# KiCad board Kimiro.kicad_pcb (continued)
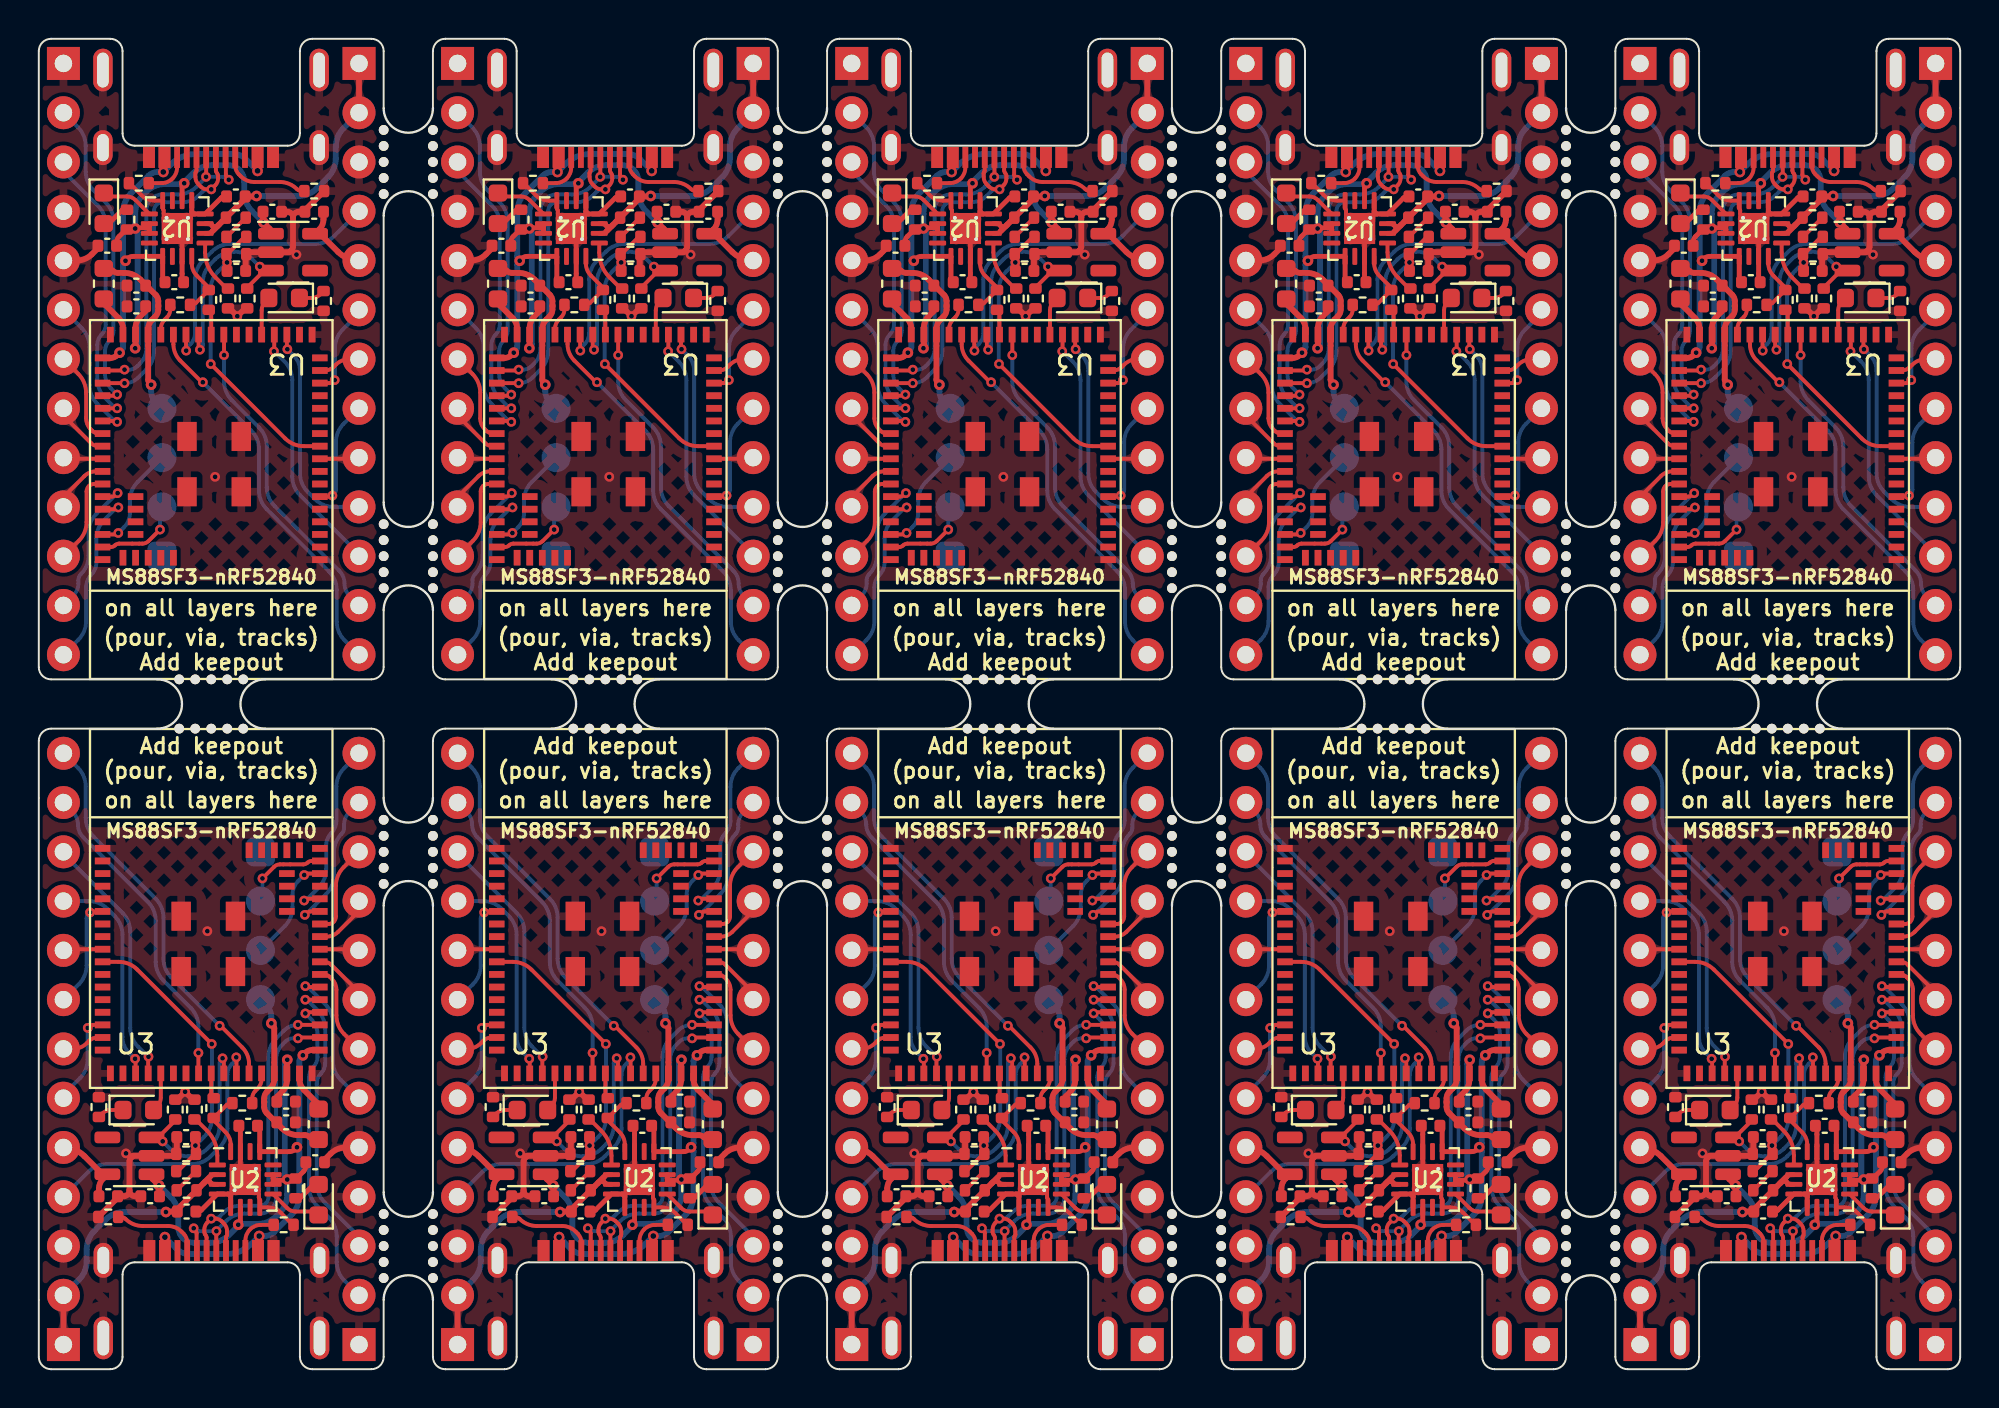
[diagram p0: board, top side]
## Routing (per net, layer and track width the routed paths; a pad name or vN(x,y) marks a point on that pad's centre or on a via; arc(x,y) is an arc through that point) (continued)
VBUS: length 216.3
  Top w0.25: C1#4.1 31.65,12.49 arc(31.7,12.42) 31.71,12.35 31.71,11.23 arc(31.72,11.22) 31.72,11.22 33.25,11.22 arc(33.39,11.25) 33.52,11.33 ; 11.27,12.55 11.33,12.49 arc(11.38,12.42) 11.39,12.35 11.39,11.23 arc(11.4,11.22) 11.4,11.22 12.93,11.22 arc(13.07,11.25) 13.2,11.33 ; C1#6.1 72.29,12.49 arc(72.34,12.42) 72.35,12.35 72.35,11.23 arc(72.36,11.22) 72.36,11.22 73.89,11.22 arc(74.03,11.25) 74.16,11.33 ; C1#3.1 87.73,56.09 arc(87.68,56.16) 87.67,56.23 87.67,57.35 arc(87.66,57.36) 87.66,57.36 86.13,57.36 arc(85.99,57.33) 85.86,57.25 ; C1.1 47.09,56.09 arc(47.04,56.16) 47.03,56.23 47.03,57.35 arc(47.02,57.36) 47.02,57.36 45.49,57.36 arc(45.35,57.33) 45.22,57.25 ; C1#2.1 6.45,56.09 arc(6.4,56.16) 6.39,56.23 6.39,57.35 arc(6.38,57.36) 6.38,57.36 4.85,57.36 arc(4.71,57.33) 4.58,57.25 ; 26.83,56.03 26.77,56.09 arc(26.72,56.16) 26.71,56.23 26.71,57.35 arc(26.7,57.36) 26.7,57.36 25.17,57.36 arc(25.03,57.33) 24.9,57.25 ; 51.91,12.55 51.97,12.49 arc(52.02,12.42) 52.03,12.35 52.03,11.23 arc(52.04,11.22) 52.04,11.22 53.57,11.22 arc(53.71,11.25) 53.84,11.33 ; C1#9.1 92.61,12.49 arc(92.66,12.42) 92.67,12.35 92.67,11.23 arc(92.68,11.22) 92.68,11.22 94.21,11.22 arc(94.35,11.25) 94.48,11.33 ; C1#7.1 67.41,56.09 arc(67.36,56.16) 67.35,56.23 67.35,57.35 arc(67.34,57.36) 67.34,57.36 65.81,57.36 arc(65.67,57.33) 65.54,57.25
  Top w0.3: v2(67.38,61.71) 67.41,61.75 arc(67.43,61.78) 67.44,61.82 67.44,62.29 ; v2(6.42,61.71) 6.45,61.75 arc(6.47,61.78) 6.48,61.82 6.48,62.29 ; v2(26.82,6.81) 26.82,6.81 arc(26.82,6.81) 26.82,6.8 26.82,6.29 ; v2(92.56,61.77) 92.56,61.77 arc(92.56,61.77) 92.56,61.78 92.56,62.29 ; 31.6,62.29 31.6,61.78 arc(31.6,61.77) 31.6,61.77 v2(31.6,61.77) ; v1(24.49,52.4) 24.35,52.27 arc(24.2,52.17) 24.03,52.13 U3#10.35 ; v2(72.24,61.77) 72.24,61.77 arc(72.24,61.77) 72.24,61.78 72.24,62.29 ; 65.54,57.25 v1(65.43,57.14) ; v2(87.78,6.81) 87.78,6.81 arc(87.78,6.81) 87.78,6.8 87.78,6.29 ; 67.46,6.29 67.46,6.8 arc(67.46,6.81) 67.46,6.81 v2(67.46,6.81) ; U3#9.35 14.07,16.45 arc(13.9,16.41) 13.75,16.31 v1(13.61,16.18) ; v1(54.25,16.18) 54.39,16.31 arc(54.54,16.41) 54.71,16.45 U3#3.35 ; U3.35 95.35,16.45 arc(95.18,16.41) 95.03,16.31 v1(94.89,16.18) ; v2(6.5,6.81) 6.5,6.81 arc(6.5,6.81) 6.5,6.8 6.5,6.29 ; 33.52,11.33 v1(33.63,11.44) ; 72.26,6.29 72.26,6.76 arc(72.27,6.8) 72.29,6.83 v2(72.32,6.87) ; v1(44.81,52.4) 44.67,52.27 arc(44.52,52.17) 44.35,52.13 U3#5.35 ; v2(51.92,61.77) 51.92,61.77 arc(51.92,61.77) 51.92,61.78 51.92,62.29 ; 24.9,57.25 v1(24.79,57.14) ; 51.94,6.29 51.94,6.76 arc(51.95,6.8) 51.97,6.83 v2(52,6.87) ; 4.58,57.25 v1(4.47,57.14) ; U3#6.35 64.67,52.13 arc(64.84,52.17) 64.99,52.27 v1(65.13,52.4) ; 45.22,57.25 v1(45.11,57.14) ; v2(11.36,6.87) 11.33,6.83 arc(11.31,6.8) 11.3,6.76 11.3,6.29 ; 13.2,11.33 v1(13.31,11.44) ; v2(47.06,61.71) 47.09,61.75 arc(47.11,61.78) 47.12,61.82 47.12,62.29 ; U3#4.35 34.39,16.45 arc(34.22,16.41) 34.07,16.31 v1(33.93,16.18) ; U3#2.35 84.99,52.13 arc(85.16,52.17) 85.31,52.27 v1(85.45,52.4) ; v1(74.57,16.18) 74.71,16.31 arc(74.86,16.41) 75.03,16.45 U3#7.35 ; 31.62,6.29 31.62,6.76 arc(31.63,6.8) 31.65,6.83 v2(31.68,6.87) ; v2(92.64,6.87) 92.61,6.83 arc(92.59,6.8) 92.58,6.76 92.58,6.29 ; v2(26.74,61.71) 26.77,61.75 arc(26.79,61.78) 26.8,61.82 26.8,62.29 ; 85.86,57.25 v1(85.75,57.14) ; v2(11.28,61.77) 11.28,61.77 arc(11.28,61.77) 11.28,61.78 11.28,62.29 ; v2(47.14,6.81) 47.14,6.81 arc(47.14,6.81) 47.14,6.8 47.14,6.29 ; 74.16,11.33 v1(74.27,11.44) ; U3#8.35 3.71,52.13 arc(3.88,52.17) 4.03,52.27 v1(4.17,52.4) ; 94.48,11.33 v1(94.59,11.44) ; 87.76,62.29 87.76,61.82 arc(87.75,61.78) 87.73,61.75 v2(87.7,61.71) ; 53.84,11.33 v1(53.95,11.44)
  Bottom w0.3: 26.82,6.93 v2(26.82,6.81) 27.43,6.2 arc(27.72,6.01) 28.07,5.94 30,5.94 arc(30.7,6.08) 31.29,6.47 v2(31.68,6.87) 31.97,6.87 arc(32.23,6.92) 32.45,7.07 33.36,7.97 arc(33.65,8.41) 33.75,8.93 33.75,11.23 arc(33.74,11.31) 33.69,11.38 v1(33.63,11.44) 33.69,11.5 arc(33.74,11.57) 33.75,11.65 33.75,15.87 arc(33.78,15.99) 33.84,16.09 v1(33.93,16.18) ; 72.24,61.65 v2(72.24,61.77) 71.63,62.38 arc(71.34,62.57) 70.99,62.64 69.06,62.64 arc(68.36,62.5) 67.77,62.11 v2(67.38,61.71) 67.09,61.71 arc(66.83,61.66) 66.61,61.51 65.7,60.61 arc(65.41,60.17) 65.31,59.65 65.31,57.35 arc(65.32,57.27) 65.37,57.2 v1(65.43,57.14) 65.37,57.08 arc(65.32,57.01) 65.31,56.93 65.31,52.71 arc(65.28,52.59) 65.22,52.49 v1(65.13,52.4) ; 47.14,6.93 v2(47.14,6.81) 47.75,6.2 arc(48.04,6.01) 48.39,5.94 50.32,5.94 arc(51.02,6.08) 51.61,6.47 v2(52,6.87) 52.29,6.87 arc(52.55,6.92) 52.77,7.07 53.68,7.97 arc(53.97,8.41) 54.07,8.93 54.07,11.23 arc(54.06,11.31) 54.01,11.38 v1(53.95,11.44) 54.01,11.5 arc(54.06,11.57) 54.07,11.65 54.07,15.87 arc(54.1,15.99) 54.16,16.09 v1(54.25,16.18) ; 87.78,6.93 v2(87.78,6.81) 88.39,6.2 arc(88.68,6.01) 89.03,5.94 90.96,5.94 arc(91.66,6.08) 92.25,6.47 v2(92.64,6.87) 92.93,6.87 arc(93.19,6.92) 93.41,7.07 94.32,7.97 arc(94.61,8.41) 94.71,8.93 94.71,11.23 arc(94.7,11.31) 94.65,11.38 v1(94.59,11.44) 94.65,11.5 arc(94.7,11.57) 94.71,11.65 94.71,15.87 arc(94.74,15.99) 94.8,16.09 v1(94.89,16.18) ; 51.92,61.65 v2(51.92,61.77) 51.31,62.38 arc(51.02,62.57) 50.67,62.64 48.74,62.64 arc(48.04,62.5) 47.45,62.11 v2(47.06,61.71) 46.77,61.71 arc(46.51,61.66) 46.29,61.51 45.38,60.61 arc(45.09,60.17) 44.99,59.65 44.99,57.35 arc(45,57.27) 45.05,57.2 v1(45.11,57.14) 45.05,57.08 arc(45,57.01) 44.99,56.93 44.99,52.71 arc(44.96,52.59) 44.9,52.49 v1(44.81,52.4) ; 11.28,61.65 v2(11.28,61.77) 10.67,62.38 arc(10.38,62.57) 10.03,62.64 8.1,62.64 arc(7.4,62.5) 6.81,62.11 v2(6.42,61.71) 6.13,61.71 arc(5.87,61.66) 5.65,61.51 4.74,60.61 arc(4.45,60.17) 4.35,59.65 4.35,57.35 arc(4.36,57.27) 4.41,57.2 v1(4.47,57.14) 4.41,57.08 arc(4.36,57.01) 4.35,56.93 4.35,52.71 arc(4.32,52.59) 4.26,52.49 v1(4.17,52.4) ; 6.5,6.93 v2(6.5,6.81) 7.11,6.2 arc(7.4,6.01) 7.75,5.94 9.68,5.94 arc(10.38,6.08) 10.97,6.47 v2(11.36,6.87) 11.65,6.87 arc(11.91,6.92) 12.13,7.07 13.04,7.97 arc(13.33,8.41) 13.43,8.93 13.43,11.23 arc(13.42,11.31) 13.37,11.38 v1(13.31,11.44) 13.37,11.5 arc(13.42,11.57) 13.43,11.65 13.43,15.87 arc(13.46,15.99) 13.52,16.09 v1(13.61,16.18) ; v1(74.57,16.18) 74.48,16.09 arc(74.42,15.99) 74.39,15.87 74.39,11.65 arc(74.38,11.57) 74.33,11.5 v1(74.27,11.44) 74.33,11.38 arc(74.38,11.31) 74.39,11.23 74.39,8.93 arc(74.29,8.41) 74,7.97 73.09,7.07 arc(72.87,6.92) 72.61,6.87 v2(72.32,6.87) 71.93,6.47 arc(71.34,6.08) 70.64,5.94 68.71,5.94 arc(68.36,6.01) 68.07,6.2 v2(67.46,6.81) 67.46,6.93 ; v1(85.45,52.4) 85.54,52.49 arc(85.6,52.59) 85.63,52.71 85.63,56.93 arc(85.64,57.01) 85.69,57.08 v1(85.75,57.14) 85.69,57.2 arc(85.64,57.27) 85.63,57.35 85.63,59.65 arc(85.73,60.17) 86.02,60.61 86.93,61.51 arc(87.15,61.66) 87.41,61.71 v2(87.7,61.71) 88.09,62.11 arc(88.68,62.5) 89.38,62.64 91.31,62.64 arc(91.66,62.57) 91.95,62.38 v2(92.56,61.77) 92.56,61.65 ; 31.6,61.65 v2(31.6,61.77) 30.99,62.38 arc(30.7,62.57) 30.35,62.64 28.42,62.64 arc(27.72,62.5) 27.13,62.11 v2(26.74,61.71) 26.45,61.71 arc(26.19,61.66) 25.97,61.51 25.06,60.61 arc(24.77,60.17) 24.67,59.65 24.67,57.35 arc(24.68,57.27) 24.73,57.2 v1(24.79,57.14) 24.73,57.08 arc(24.68,57.01) 24.67,56.93 24.67,52.71 arc(24.64,52.59) 24.58,52.49 v1(24.49,52.4)
VCC: length 39.1
  Top w0.3: C6#6.2 84.38,9.31 arc(84.44,9.59) 84.6,9.83 84.73,9.96 arc(84.74,10.02) 84.69,10.05 arc(84.58,10.07) 84.48,10.14 83.63,10.98 arc(83.14,11.31) J4#5.5 ; C6#3.2 3.1,9.31 arc(3.16,9.59) 3.32,9.83 3.45,9.96 arc(3.46,10.02) 3.41,10.05 arc(3.3,10.07) 3.2,10.14 2.35,10.98 arc(1.86,11.31) J4#9.5 ; C6#7.2 23.42,9.31 arc(23.48,9.59) 23.64,9.83 23.77,9.96 arc(23.78,10.02) 23.73,10.05 arc(23.62,10.07) 23.52,10.14 22.67,10.98 arc(22.18,11.31) J4#8.5 ; C6#9.2 43.74,9.31 arc(43.8,9.59) 43.96,9.83 44.09,9.96 arc(44.1,10.02) 44.05,10.05 arc(43.94,10.07) 43.84,10.14 42.99,10.98 arc(42.5,11.31) J4#10.5 ; C6.2 64.06,9.31 arc(64.12,9.59) 64.28,9.83 64.41,9.96 arc(64.42,10.02) 64.37,10.05 arc(64.26,10.07) 64.16,10.14 63.31,10.98 arc(62.82,11.31) J4#3.5 ; C6#4.2 95.96,59.27 arc(95.9,58.99) 95.74,58.75 95.61,58.62 arc(95.6,58.56) 95.65,58.53 arc(95.76,58.51) 95.86,58.44 96.71,57.6 arc(97.2,57.27) J4#4.5 ; C6#2.2 55.32,59.27 arc(55.26,58.99) 55.1,58.75 54.97,58.62 arc(54.96,58.56) 55.01,58.53 arc(55.12,58.51) 55.22,58.44 56.07,57.6 arc(56.56,57.27) J4#2.5 ; C6#10.2 75.64,59.27 arc(75.58,58.99) 75.42,58.75 75.29,58.62 arc(75.28,58.56) 75.33,58.53 arc(75.44,58.51) 75.54,58.44 76.39,57.6 arc(76.88,57.27) J4.5 ; C6#8.2 14.68,59.27 arc(14.62,58.99) 14.46,58.75 14.33,58.62 arc(14.32,58.56) 14.37,58.53 arc(14.48,58.51) 14.58,58.44 15.43,57.6 arc(15.92,57.27) J4#7.5 ; C6#5.2 35,59.27 arc(34.94,58.99) 34.78,58.75 34.65,58.62 arc(34.64,58.56) 34.69,58.53 arc(34.8,58.51) 34.9,58.44 35.75,57.6 arc(36.24,57.27) J4#6.5
VDD: length 94.5
  Top w0.3: v1(46.43,50.75) 46.36,50.82 arc(46.3,50.91) 46.28,51.01 U3#5.31 46.28,53.62 arc(46.33,53.88) 46.48,54.1 46.66,54.28 arc(46.76,54.44) 46.8,54.62 46.8,55.06 arc(46.77,55.23) 46.67,55.37 45.88,56.17 arc(45.49,56.42) 45.04,56.51 44.71,56.51 arc(44.56,56.54) 44.44,56.63 arc(44.31,56.71) 44.16,56.74 L1#6.2 ; L1.2 84.8,56.74 arc(84.95,56.71) 85.08,56.63 arc(85.2,56.54) 85.35,56.51 85.68,56.51 arc(86.13,56.42) 86.52,56.17 87.31,55.37 arc(87.41,55.23) 87.44,55.06 87.44,54.62 arc(87.4,54.44) 87.3,54.28 87.12,54.1 arc(86.97,53.88) 86.92,53.62 U3#2.31 86.92,51.01 arc(86.94,50.91) 87,50.82 v1(87.07,50.75) ; L1#9.2 95.54,11.84 arc(95.39,11.87) 95.26,11.95 arc(95.14,12.04) 94.99,12.07 94.66,12.07 arc(94.21,12.16) 93.82,12.41 93.03,13.21 arc(92.93,13.35) 92.9,13.52 92.9,13.96 arc(92.94,14.14) 93.04,14.3 93.22,14.48 arc(93.37,14.7) 93.42,14.96 U3.31 93.42,17.57 arc(93.4,17.67) 93.34,17.76 v1(93.27,17.83) ; L1#8.2 75.22,11.84 arc(75.07,11.87) 74.94,11.95 arc(74.82,12.04) 74.67,12.07 74.34,12.07 arc(73.89,12.16) 73.5,12.41 72.71,13.21 arc(72.61,13.35) 72.58,13.52 72.58,13.96 arc(72.62,14.14) 72.72,14.3 72.9,14.48 arc(73.05,14.7) 73.1,14.96 U3#7.31 73.1,17.57 arc(73.08,17.67) 73.02,17.76 v1(72.95,17.83) ; L1#10.2 64.48,56.74 arc(64.63,56.71) 64.76,56.63 arc(64.88,56.54) 65.03,56.51 65.36,56.51 arc(65.81,56.42) 66.2,56.17 66.99,55.37 arc(67.09,55.23) 67.12,55.06 67.12,54.62 arc(67.08,54.44) 66.98,54.28 66.8,54.1 arc(66.65,53.88) 66.6,53.62 U3#6.31 66.6,51.01 arc(66.62,50.91) 66.68,50.82 v1(66.75,50.75) ; v1(32.31,17.83) 32.38,17.76 arc(32.44,17.67) 32.46,17.57 U3#4.31 32.46,14.96 arc(32.41,14.7) 32.26,14.48 32.08,14.3 arc(31.98,14.14) 31.94,13.96 31.94,13.52 arc(31.97,13.35) 32.07,13.21 32.86,12.41 arc(33.25,12.16) 33.7,12.07 34.03,12.07 arc(34.18,12.04) 34.3,11.95 arc(34.43,11.87) 34.58,11.84 L1#7.2 ; v1(52.63,17.83) 52.7,17.76 arc(52.76,17.67) 52.78,17.57 U3#3.31 52.78,14.96 arc(52.73,14.7) 52.58,14.48 52.4,14.3 arc(52.3,14.14) 52.26,13.96 52.26,13.52 arc(52.29,13.35) 52.39,13.21 53.18,12.41 arc(53.57,12.16) 54.02,12.07 54.35,12.07 arc(54.5,12.04) 54.62,11.95 arc(54.75,11.87) 54.9,11.84 L1#4.2 ; v1(26.11,50.75) 26.04,50.82 arc(25.98,50.91) 25.96,51.01 U3#10.31 25.96,53.62 arc(26.01,53.88) 26.16,54.1 26.34,54.28 arc(26.44,54.44) 26.48,54.62 26.48,55.06 arc(26.45,55.23) 26.35,55.37 25.56,56.17 arc(25.17,56.42) 24.72,56.51 24.39,56.51 arc(24.24,56.54) 24.12,56.63 arc(23.99,56.71) 23.84,56.74 L1#5.2 ; L1#2.2 14.26,11.84 arc(14.11,11.87) 13.98,11.95 arc(13.86,12.04) 13.71,12.07 13.38,12.07 arc(12.93,12.16) 12.54,12.41 11.75,13.21 arc(11.65,13.35) 11.62,13.52 11.62,13.96 arc(11.66,14.14) 11.76,14.3 11.94,14.48 arc(12.09,14.7) 12.14,14.96 U3#9.31 12.14,17.57 arc(12.12,17.67) 12.06,17.76 v1(11.99,17.83) ; v1(5.79,50.75) 5.72,50.82 arc(5.66,50.91) 5.64,51.01 U3#8.31 5.64,53.62 arc(5.69,53.88) 5.84,54.1 6.02,54.28 arc(6.12,54.44) 6.16,54.62 6.16,55.06 arc(6.13,55.23) 6.03,55.37 5.24,56.17 arc(4.85,56.42) 4.4,56.51 4.07,56.51 arc(3.92,56.54) 3.8,56.63 arc(3.67,56.71) 3.52,56.74 L1#3.2
  Bottom w0.3: J1#9.4 6.02,49.86 arc(5.85,50.11) 5.79,50.42 v1(5.79,50.75) ; v1(66.75,50.75) 66.75,50.42 arc(66.81,50.11) 66.98,49.86 J1#2.4 ; J1#10.4 32.08,18.72 arc(32.25,18.47) 32.31,18.16 v1(32.31,17.83) ; v1(93.27,17.83) 93.27,18.16 arc(93.21,18.47) 93.04,18.72 J1#4.4 ; J1#8.4 72.72,18.72 arc(72.89,18.47) 72.95,18.16 v1(72.95,17.83) ; v1(26.11,50.75) 26.11,50.42 arc(26.17,50.11) 26.34,49.86 J1.4 ; J1#6.4 11.76,18.72 arc(11.93,18.47) 11.99,18.16 v1(11.99,17.83) ; v1(52.63,17.83) 52.63,18.16 arc(52.57,18.47) 52.4,18.72 J1#3.4 ; J1#7.4 46.66,49.86 arc(46.49,50.11) 46.43,50.42 v1(46.43,50.75) ; J1#5.4 87.3,49.86 arc(87.13,50.11) 87.07,50.42 v1(87.07,50.75)
VDDH: length 242.5
  Top w0.25: 66.66,58.73 U2#8.11 ; 66.66,58.73 66.66,58.94 ; 66.66,58.73 arc(66.63,58.81) 66.55,58.84 ; C2#4.2 24.33,58.09 arc(24.36,58.25) 24.45,58.39 24.89,58.82 arc(24.91,58.83) 24.93,58.84 25.91,58.84 ; C2#2.2 74.73,10.49 arc(74.7,10.33) 74.61,10.19 74.17,9.76 arc(74.15,9.75) 74.13,9.74 73.15,9.74 ; C2.2 95.05,10.49 arc(95.02,10.33) 94.93,10.19 94.49,9.76 arc(94.47,9.75) 94.45,9.74 93.47,9.74 ; 12.08,9.85 12.08,9.64 ; 12.08,9.85 U2#6.11 ; 12.08,9.85 arc(12.11,9.77) 12.19,9.74 ; 12.08,9.64 U2#6.10 ; 12.08,9.64 arc(12.11,9.71) 12.19,9.74 ; C2#9.2 13.77,10.49 arc(13.74,10.33) 13.65,10.19 13.21,9.76 arc(13.19,9.75) 13.17,9.74 12.19,9.74 ; v1(10.28,7.45) 10.34,7.5 arc(10.38,7.56) 10.39,7.64 U2#6.6 ; C2#5.2 64.97,58.09 arc(65,58.25) 65.09,58.39 65.53,58.82 arc(65.55,58.83) 65.57,58.84 66.55,58.84 ; v1(27.82,61.13) 27.76,61.08 arc(27.72,61.02) 27.71,60.94 U2#5.6 ; 32.51,9.74 33.49,9.74 arc(33.51,9.75) 33.53,9.76 33.97,10.19 arc(34.06,10.33) 34.09,10.49 C2#10.2 ; 32.51,9.74 arc(32.43,9.77) 32.4,9.85 ; 32.51,9.74 arc(32.43,9.71) 32.4,9.64 ; 73.15,9.74 arc(73.07,9.71) 73.04,9.64 ; 73.15,9.74 arc(73.07,9.77) 73.04,9.85 ; 5.7,58.73 5.7,58.94 ; 5.7,58.73 U2#3.11 ; 5.7,58.73 arc(5.67,58.81) 5.59,58.84 ; 5.7,58.94 U2#3.10 ; 5.7,58.94 arc(5.67,58.87) 5.59,58.84 ; 86.98,58.94 U2#9.10 ; 86.98,58.94 86.98,58.73 ; 86.98,58.94 arc(86.95,58.87) 86.87,58.84 ; v1(7.5,61.13) 7.44,61.08 arc(7.4,61.02) 7.39,60.94 U2#3.6 ; v1(30.6,7.45) 30.66,7.5 arc(30.7,7.56) 30.71,7.64 U2#2.6 ; 73.04,9.85 U2#7.11 ; 73.04,9.85 73.04,9.64 ; U2#7.6 71.35,7.64 arc(71.34,7.56) 71.3,7.5 v1(71.24,7.45) ; C2#3.2 44.65,58.09 arc(44.68,58.25) 44.77,58.39 45.21,58.82 arc(45.23,58.83) 45.25,58.84 46.23,58.84 ; U2#10.6 48.03,60.94 arc(48.04,61.02) 48.08,61.08 v1(48.14,61.13) ; 52.72,9.85 U2#4.11 ; 52.72,9.85 52.72,9.64 ; 52.72,9.85 arc(52.75,9.77) 52.83,9.74 ; 46.34,58.73 46.34,58.94 ; 46.34,58.73 U2#10.11 ; 46.34,58.73 arc(46.31,58.81) 46.23,58.84 ; 46.34,58.94 U2#10.10 ; 46.34,58.94 arc(46.31,58.87) 46.23,58.84 ; 52.72,9.64 U2#4.10 ; 52.72,9.64 arc(52.75,9.71) 52.83,9.74 ; 26.02,58.73 26.02,58.94 ; 26.02,58.73 U2#5.11 ; 26.02,58.73 arc(25.99,58.81) 25.91,58.84 ; 26.02,58.94 U2#5.10 ; 26.02,58.94 arc(25.99,58.87) 25.91,58.84 ; 32.4,9.85 U2#2.11 ; 32.4,9.85 32.4,9.64 ; 86.87,58.84 85.89,58.84 arc(85.87,58.83) 85.85,58.82 85.41,58.39 arc(85.32,58.25) 85.29,58.09 C2#7.2 ; 86.87,58.84 arc(86.95,58.81) 86.98,58.73 ; v1(91.56,7.45) 91.62,7.5 arc(91.66,7.56) 91.67,7.64 U2.6 ; 93.36,9.85 93.36,9.64 ; 93.36,9.85 U2.11 ; 93.36,9.85 arc(93.39,9.77) 93.47,9.74 ; 93.36,9.64 U2.10 ; 93.36,9.64 arc(93.39,9.71) 93.47,9.74 ; 86.98,58.73 U2#9.11 ; 66.55,58.84 arc(66.63,58.87) 66.66,58.94 ; v1(68.46,61.13) 68.4,61.08 arc(68.36,61.02) 68.35,60.94 U2#8.6 ; v1(88.78,61.13) 88.72,61.08 arc(88.68,61.02) 88.67,60.94 U2#9.6 ; 5.59,58.84 4.61,58.84 arc(4.59,58.83) 4.57,58.82 4.13,58.39 arc(4.04,58.25) 4.01,58.09 C2#6.2 ; v1(50.92,7.45) 50.98,7.5 arc(51.02,7.56) 51.03,7.64 U2#4.6 ; 73.04,9.64 U2#7.10 ; 52.83,9.74 53.81,9.74 arc(53.83,9.75) 53.85,9.76 54.29,10.19 arc(54.38,10.33) 54.41,10.49 C2#8.2 ; 66.66,58.94 U2#8.10 ; 32.4,9.64 U2#2.10
  Top w0.3: U4.1 52.61,58.63 arc(52.59,58.71) 52.54,58.79 v1(52.22,59.11) 52.21,59.12 arc(52.2,59.13) 52.2,59.14 C5#10.2 ; v1(94.09,15.95) 94.08,15.94 arc(94.07,15.93) 94.07,15.92 94.07,14.9 arc(94.01,14.57) 93.82,14.29 93.6,14.07 arc(93.54,13.99) 93.53,13.9 93.53,13.75 ; U4#8.1 66.77,9.95 arc(66.79,9.87) 66.84,9.79 v1(67.16,9.47) 67.17,9.46 arc(67.18,9.45) 67.18,9.44 C5.2 ; C5#8.2 72.52,59.14 arc(72.52,59.13) 72.53,59.12 v1(72.54,59.11) 72.86,58.79 arc(72.91,58.71) 72.93,58.63 U4#4.1 ; U4#5.1 5.81,9.95 arc(5.83,9.87) 5.88,9.79 v1(6.2,9.47) 6.21,9.46 arc(6.22,9.45) 6.22,9.44 C5#2.2 ; U4#3.1 93.25,58.63 arc(93.23,58.71) 93.18,58.79 v1(92.86,59.11) 92.85,59.12 arc(92.84,59.13) 92.84,59.14 C5#4.2 ; v1(73.77,15.95) 73.76,15.94 arc(73.75,15.93) 73.75,15.92 73.75,14.9 arc(73.69,14.57) 73.5,14.29 73.28,14.07 arc(73.22,13.99) 73.21,13.9 73.21,13.75 ; v1(65.93,52.63) 65.94,52.64 arc(65.95,52.65) 65.95,52.66 65.95,53.68 arc(66.01,54.01) 66.2,54.29 66.42,54.51 arc(66.48,54.59) 66.49,54.68 66.49,54.83 ; U4#10.1 32.29,58.63 arc(32.27,58.71) 32.22,58.79 v1(31.9,59.11) 31.89,59.12 arc(31.88,59.13) 31.88,59.14 C5#6.2 ; 12.25,13.75 12.25,13.9 arc(12.26,13.99) 12.32,14.07 12.54,14.29 arc(12.73,14.57) 12.79,14.9 12.79,15.92 arc(12.79,15.93) 12.8,15.94 v1(12.81,15.95) ; 25.85,54.83 25.85,54.68 arc(25.84,54.59) 25.78,54.51 25.56,54.29 arc(25.37,54.01) 25.31,53.68 25.31,52.66 arc(25.31,52.65) 25.3,52.64 v1(25.29,52.63) ; v1(53.45,15.95) 53.44,15.94 arc(53.43,15.93) 53.43,15.92 53.43,14.9 arc(53.37,14.57) 53.18,14.29 52.96,14.07 arc(52.9,13.99) 52.89,13.9 52.89,13.75 ; v1(4.97,52.63) 4.98,52.64 arc(4.99,52.65) 4.99,52.66 4.99,53.68 arc(5.05,54.01) 5.24,54.29 5.46,54.51 arc(5.52,54.59) 5.53,54.68 5.53,54.83 ; 86.81,54.83 86.81,54.68 arc(86.8,54.59) 86.74,54.51 86.52,54.29 arc(86.33,54.01) 86.27,53.68 86.27,52.66 arc(86.27,52.65) 86.26,52.64 v1(86.25,52.63) ; U4#2.1 11.97,58.63 arc(11.95,58.71) 11.9,58.79 v1(11.58,59.11) 11.57,59.12 arc(11.56,59.13) 11.56,59.14 C5#7.2 ; 46.17,54.83 46.17,54.68 arc(46.16,54.59) 46.1,54.51 45.88,54.29 arc(45.69,54.01) 45.63,53.68 45.63,52.66 arc(45.63,52.65) 45.62,52.64 v1(45.61,52.63) ; C5#3.2 26.54,9.44 arc(26.54,9.45) 26.53,9.46 v1(26.52,9.47) 26.2,9.79 arc(26.15,9.87) 26.13,9.95 U4#6.1 ; U4#7.1 46.45,9.95 arc(46.47,9.87) 46.52,9.79 v1(46.84,9.47) 46.85,9.46 arc(46.86,9.45) 46.86,9.44 C5#9.2 ; v1(33.13,15.95) 33.12,15.94 arc(33.11,15.93) 33.11,15.92 33.11,14.9 arc(33.05,14.57) 32.86,14.29 32.64,14.07 arc(32.58,13.99) 32.57,13.9 32.57,13.75 ; C5#5.2 87.5,9.44 arc(87.5,9.45) 87.49,9.46 v1(87.48,9.47) 87.16,9.79 arc(87.11,9.87) 87.09,9.95 U4#9.1
  Bottom w0.3: v1(31.9,59.11) 31.31,59.7 arc(31.02,60.14) 30.91,60.66 30.91,61.23 arc(30.85,61.55) 30.67,61.82 arc(30.4,62) 30.08,62.06 29.26,62.06 arc(28.74,61.96) 28.3,61.66 27.82,61.19 ; 30.6,7.39 30.12,6.92 arc(29.68,6.62) 29.16,6.52 28.34,6.52 arc(28.02,6.58) 27.75,6.76 arc(27.57,7.03) 27.51,7.35 27.51,7.92 arc(27.4,8.44) 27.11,8.88 v1(26.52,9.47) ; v1(72.54,59.11) 71.95,59.7 arc(71.66,60.14) 71.55,60.66 71.55,61.23 arc(71.49,61.55) 71.31,61.82 arc(71.04,62) 70.72,62.06 69.9,62.06 arc(69.38,61.96) 68.94,61.66 68.46,61.19 ; 10.39,7.44 10.41,7.47 arc(10.44,7.48) 10.47,7.49 11.28,7.49 arc(11.8,7.59) 12.25,7.89 12.41,8.05 arc(12.71,8.5) 12.81,9.02 v1(12.81,9.78) 12.75,9.84 arc(12.7,9.91) 12.69,9.99 12.69,15.74 arc(12.7,15.82) 12.75,15.89 v1(12.81,15.95) ; v1(53.45,15.95) 53.39,15.89 arc(53.34,15.82) 53.33,15.74 53.33,9.99 arc(53.34,9.91) 53.39,9.84 v1(53.45,9.78) 53.45,9.02 arc(53.35,8.5) 53.05,8.05 52.89,7.89 arc(52.44,7.59) 51.92,7.49 51.11,7.49 arc(51.08,7.48) 51.05,7.47 51.03,7.44 ; v1(33.13,15.95) 33.07,15.89 arc(33.02,15.82) 33.01,15.74 33.01,9.99 arc(33.02,9.91) 33.07,9.84 v1(33.13,9.78) 33.13,9.02 arc(33.03,8.5) 32.73,8.05 32.57,7.89 arc(32.12,7.59) 31.6,7.49 30.79,7.49 arc(30.76,7.48) 30.73,7.47 30.71,7.44 ; v1(6.2,9.47) 6.79,8.88 arc(7.08,8.44) 7.19,7.92 7.19,7.35 arc(7.25,7.03) 7.43,6.76 arc(7.7,6.58) 8.02,6.52 8.84,6.52 arc(9.36,6.62) 9.8,6.92 10.28,7.39 ; v1(73.77,15.95) 73.71,15.89 arc(73.66,15.82) 73.65,15.74 73.65,9.99 arc(73.66,9.91) 73.71,9.84 v1(73.77,9.78) 73.77,9.02 arc(73.67,8.5) 73.37,8.05 73.21,7.89 arc(72.76,7.59) 72.24,7.49 71.43,7.49 arc(71.4,7.48) 71.37,7.47 71.35,7.44 ; v1(52.22,59.11) 51.63,59.7 arc(51.34,60.14) 51.23,60.66 51.23,61.23 arc(51.17,61.55) 50.99,61.82 arc(50.72,62) 50.4,62.06 49.58,62.06 arc(49.06,61.96) 48.62,61.66 48.14,61.19 ; 48.03,61.14 48.01,61.11 arc(47.98,61.1) 47.95,61.09 47.14,61.09 arc(46.62,60.99) 46.17,60.69 46.01,60.53 arc(45.71,60.08) 45.61,59.56 v1(45.61,58.8) 45.67,58.74 arc(45.72,58.67) 45.73,58.59 45.73,52.84 arc(45.72,52.76) 45.67,52.69 v1(45.61,52.63) ; v1(94.09,15.95) 94.03,15.89 arc(93.98,15.82) 93.97,15.74 93.97,9.99 arc(93.98,9.91) 94.03,9.84 v1(94.09,9.78) 94.09,9.02 arc(93.99,8.5) 93.69,8.05 93.53,7.89 arc(93.08,7.59) 92.56,7.49 91.75,7.49 arc(91.72,7.48) 91.69,7.47 91.67,7.44 ; v1(4.97,52.63) 5.03,52.69 arc(5.08,52.76) 5.09,52.84 5.09,58.59 arc(5.08,58.67) 5.03,58.74 v1(4.97,58.8) 4.97,59.56 arc(5.07,60.08) 5.37,60.53 5.53,60.69 arc(5.98,60.99) 6.5,61.09 7.31,61.09 arc(7.34,61.1) 7.37,61.11 7.39,61.14 ; 71.24,7.39 70.76,6.92 arc(70.32,6.62) 69.8,6.52 68.98,6.52 arc(68.66,6.58) 68.39,6.76 arc(68.21,7.03) 68.15,7.35 68.15,7.92 arc(68.04,8.44) 67.75,8.88 v1(67.16,9.47) ; v1(25.29,52.63) 25.35,52.69 arc(25.4,52.76) 25.41,52.84 25.41,58.59 arc(25.4,58.67) 25.35,58.74 v1(25.29,58.8) 25.29,59.56 arc(25.39,60.08) 25.69,60.53 25.85,60.69 arc(26.3,60.99) 26.82,61.09 27.63,61.09 arc(27.66,61.1) 27.69,61.11 27.71,61.14 ; 7.5,61.19 7.98,61.66 arc(8.42,61.96) 8.94,62.06 9.76,62.06 arc(10.08,62) 10.35,61.82 arc(10.53,61.55) 10.59,61.23 10.59,60.66 arc(10.7,60.14) 10.99,59.7 v1(11.58,59.11) ; 91.56,7.39 91.08,6.92 arc(90.64,6.62) 90.12,6.52 89.3,6.52 arc(88.98,6.58) 88.71,6.76 arc(88.53,7.03) 88.47,7.35 88.47,7.92 arc(88.36,8.44) 88.07,8.88 v1(87.48,9.47) ; v1(65.93,52.63) 65.99,52.69 arc(66.04,52.76) 66.05,52.84 66.05,58.59 arc(66.04,58.67) 65.99,58.74 v1(65.93,58.8) 65.93,59.56 arc(66.03,60.08) 66.33,60.53 66.49,60.69 arc(66.94,60.99) 67.46,61.09 68.27,61.09 arc(68.3,61.1) 68.33,61.11 68.35,61.14 ; v1(46.84,9.47) 47.43,8.88 arc(47.72,8.44) 47.83,7.92 47.83,7.35 arc(47.89,7.03) 48.07,6.76 arc(48.34,6.58) 48.66,6.52 49.48,6.52 arc(50,6.62) 50.44,6.92 50.92,7.39 ; v1(92.86,59.11) 92.27,59.7 arc(91.98,60.14) 91.87,60.66 91.87,61.23 arc(91.81,61.55) 91.63,61.82 arc(91.36,62) 91.04,62.06 90.22,62.06 arc(89.7,61.96) 89.26,61.66 88.78,61.19 ; v1(86.25,52.63) 86.31,52.69 arc(86.36,52.76) 86.37,52.84 86.37,58.59 arc(86.36,58.67) 86.31,58.74 v1(86.25,58.8) 86.25,59.56 arc(86.35,60.08) 86.65,60.53 86.81,60.69 arc(87.26,60.99) 87.78,61.09 88.59,61.09 arc(88.62,61.1) 88.65,61.11 88.67,61.14
002: length 20.4
  Top w0.2: J4#4.9 97.76,46.96 arc(97.73,46.94) 97.69,46.93 U3#2.9 ; J4#5.9 82.58,21.62 arc(82.61,21.64) 82.65,21.65 U3.9 ; U3#6.9 77.37,46.93 arc(77.41,46.94) 77.44,46.96 J4.9 ; U3#5.9 57.05,46.93 arc(57.09,46.94) 57.12,46.96 J4#2.9 ; J4#9.9 1.3,21.62 arc(1.33,21.64) 1.37,21.65 U3#9.9 ; J4#10.9 41.94,21.62 arc(41.97,21.64) 42.01,21.65 U3#3.9 ; J4#8.9 21.62,21.62 arc(21.65,21.64) 21.69,21.65 U3#4.9 ; U3#10.9 36.73,46.93 arc(36.77,46.94) 36.8,46.96 J4#6.9 ; U3#7.9 62.33,21.65 arc(62.29,21.64) 62.26,21.62 J4#3.9 ; J4#7.9 16.48,46.96 arc(16.45,46.94) 16.41,46.93 U3#8.9
003: length 56.6
  Top w0.2: U3#5.6 55.63,44.98 arc(55.66,44.99) 55.68,45.01 55.68,45.01 arc(55.71,45.03) 55.74,45.03 v3(55.78,45.03) ; v3(83.92,23.55) 83.96,23.55 arc(83.99,23.55) 84.02,23.57 84.02,23.57 arc(84.04,23.59) 84.07,23.6 U3.6 ; v3(15.14,45.03) 15.1,45.03 arc(15.07,45.03) 15.04,45.01 15.04,45.01 arc(15.02,44.99) 14.99,44.98 U3#8.6 ; v3(2.64,23.55) 2.68,23.55 arc(2.71,23.55) 2.74,23.57 2.74,23.57 arc(2.76,23.59) 2.79,23.6 U3#9.6 ; v3(43.28,23.55) 43.32,23.55 arc(43.35,23.55) 43.38,23.57 43.38,23.57 arc(43.4,23.59) 43.43,23.6 U3#3.6 ; U3#2.6 96.27,44.98 arc(96.3,44.99) 96.32,45.01 96.32,45.01 arc(96.35,45.03) 96.38,45.03 v3(96.42,45.03) ; U3#10.6 35.31,44.98 arc(35.34,44.99) 35.36,45.01 35.36,45.01 arc(35.39,45.03) 35.42,45.03 v3(35.46,45.03) ; U3#4.6 23.11,23.6 arc(23.08,23.59) 23.06,23.57 23.06,23.57 arc(23.03,23.55) 23,23.55 v3(22.96,23.55) ; U3#7.6 63.75,23.6 arc(63.72,23.59) 63.7,23.57 63.7,23.57 arc(63.67,23.55) 63.64,23.55 v3(63.6,23.55) ; U3#6.6 75.95,44.98 arc(75.98,44.99) 76,45.01 76,45.01 arc(76.03,45.03) 76.06,45.03 v3(76.1,45.03)
  Bottom w0.2: J4#8.8 22.39,19.85 arc(22.68,20.29) 22.78,20.81 22.78,23.24 arc(22.81,23.36) 22.87,23.46 v3(22.96,23.55) ; J4#6.8 36.03,48.73 arc(35.74,48.29) 35.64,47.77 35.64,45.34 arc(35.61,45.22) 35.55,45.12 v3(35.46,45.03) ; v3(83.92,23.55) 83.83,23.46 arc(83.77,23.36) 83.74,23.24 83.74,20.81 arc(83.64,20.29) 83.35,19.85 J4#5.8 ; J4#2.8 56.35,48.73 arc(56.06,48.29) 55.96,47.77 55.96,45.34 arc(55.93,45.22) 55.87,45.12 v3(55.78,45.03) ; v3(96.42,45.03) 96.51,45.12 arc(96.57,45.22) 96.6,45.34 96.6,47.77 arc(96.7,48.29) 96.99,48.73 J4#4.8 ; J4.8 76.67,48.73 arc(76.38,48.29) 76.28,47.77 76.28,45.34 arc(76.25,45.22) 76.19,45.12 v3(76.1,45.03) ; v3(43.28,23.55) 43.19,23.46 arc(43.13,23.36) 43.1,23.24 43.1,20.81 arc(43,20.29) 42.71,19.85 J4#10.8 ; v3(63.6,23.55) 63.51,23.46 arc(63.45,23.36) 63.42,23.24 63.42,20.81 arc(63.32,20.29) 63.03,19.85 J4#3.8 ; v3(2.64,23.55) 2.55,23.46 arc(2.49,23.36) 2.46,23.24 2.46,20.81 arc(2.36,20.29) 2.07,19.85 J4#9.8 ; J4#7.8 15.71,48.73 arc(15.42,48.29) 15.32,47.77 15.32,45.34 arc(15.29,45.22) 15.23,45.12 v3(15.14,45.03)
004: length 21.9
  Top w0.2: J4#5.7 83.04,16.51 arc(83.43,16.59) 83.75,16.8 83.86,16.91 arc(84.07,17.05) 84.31,17.1 U3.16 ; J4#6.7 36.34,52.07 arc(35.95,51.99) 35.63,51.78 35.52,51.67 arc(35.31,51.53) 35.07,51.48 U3#10.16 ; J4#7.7 16.02,52.07 arc(15.63,51.99) 15.31,51.78 15.2,51.67 arc(14.99,51.53) 14.75,51.48 U3#8.16 ; J4#8.7 22.08,16.51 arc(22.47,16.59) 22.79,16.8 22.9,16.91 arc(23.11,17.05) 23.35,17.1 U3#4.16 ; J4#10.7 42.4,16.51 arc(42.79,16.59) 43.11,16.8 43.22,16.91 arc(43.43,17.05) 43.67,17.1 U3#3.16 ; J4.7 76.98,52.07 arc(76.59,51.99) 76.27,51.78 76.16,51.67 arc(75.95,51.53) 75.71,51.48 U3#6.16 ; U3#9.16 3.03,17.1 arc(2.79,17.05) 2.58,16.91 2.47,16.8 arc(2.15,16.59) 1.76,16.51 J4#9.7 ; J4#4.7 97.3,52.07 arc(96.91,51.99) 96.59,51.78 96.48,51.67 arc(96.27,51.53) 96.03,51.48 U3#2.16 ; U3#7.16 63.99,17.1 arc(63.75,17.05) 63.54,16.91 63.43,16.8 arc(63.11,16.59) 62.72,16.51 J4#3.7 ; J4#2.7 56.66,52.07 arc(56.27,51.99) 55.95,51.78 55.84,51.67 arc(55.63,51.53) 55.39,51.48 U3#5.16